# KiCad board lpddr5-testbed.kicad_pcb (continued)
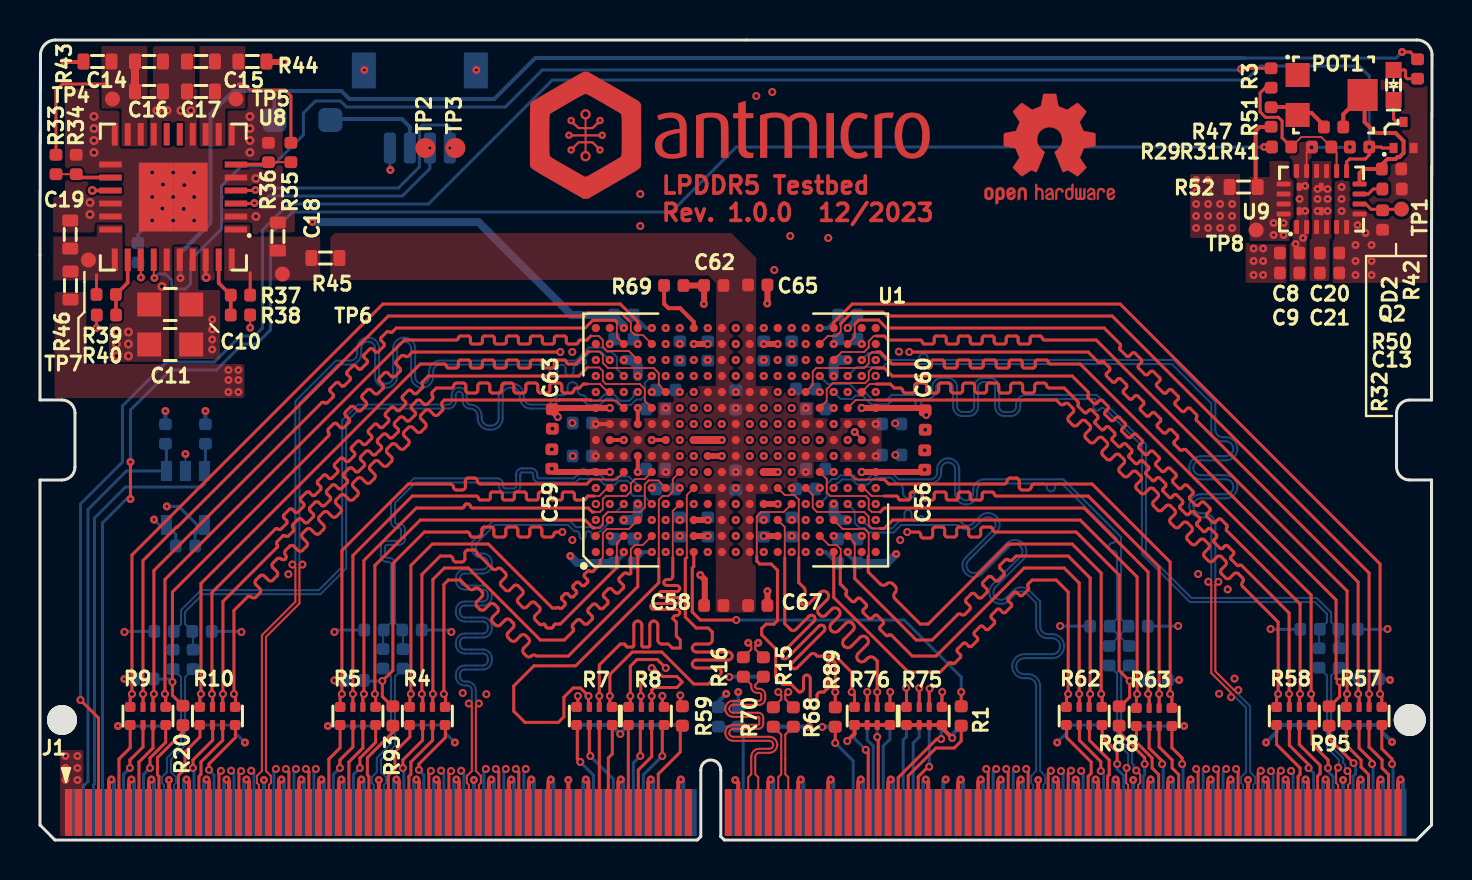
[diagram p0: board, top side]
## Routing (per net, layer and track width the routed paths; a pad name or vN(x,y) marks a point on that pad's centre or on a via; arc(x,y) is an arc through that point) (continued)
/LPDDR5/LPDDR5_A.CA4: length 23.9
  Top w0.15: v2(30.6,8.6) 30.7,8.6 31.12,8.17 31.85,8.17 32.13,7.9 31.85,7.62 30.73,7.62 30.6,7.5 v2(30.6,7.2) 30.6,6.65
  In3.Cu w0.09: v1(32,21.6) 30.94,20.55 30.94,14.23 30.98,14.19
  In3.Cu w0.15: v2(30.6,8.6) 30.98,8.98 31.45,8.98 32.77,7.66 33.14,7.66 33.28,7.8 33.28,8.79 33.47,8.98 33.47,11.44 32.89,12.02 32.53,12.02 31.81,12.73 31.81,13.25 30.98,14.08 30.98,14.19
  Bottom w0.15: 30.6,6.65 v2(30.6,7.2)
/LPDDR5/LPDDR5_A.CA5: length 23.3
  Top w0.15: v2(31.13,7.2) 31.13,6.65
  In3.Cu w0.09: v1(32.7,24) 32.36,23.66 32.36,23.03 32.12,22.8 29.81,22.8 29.55,22.53 29.56,22.52 29.56,14.22 29.58,14.2
  In3.Cu w0.15: 29.58,14.2 29.9,13.88 29.9,13.45 arc(29.95,13.33) 30.07,13.28 arc(30.19,13.22) 30.25,13.1 30.25,12.85 arc(30.19,12.73) 30.07,12.67 29.72,12.67 arc(29.6,12.62) 29.55,12.5 29.55,12.25 arc(29.6,12.13) 29.72,12.08 30.07,12.08 arc(30.19,12.02) 30.25,11.9 30.25,11.65 arc(30.19,11.53) 30.07,11.47 29.9,11.3 29.9,9.05 29.68,8.83 29.68,7.85 29.88,7.65 30.68,7.65 v2(31.13,7.2)
  Bottom w0.15: 31.13,6.65 v2(31.13,7.2)
/LPDDR5/LPDDR5_A.CA6: length 24.8
  Top w0.15: v2(32.03,7.23) 32.03,6.69
  In3.Cu w0.09: v1(32,23.2) 31.66,23.55 29.05,23.55 28.86,23.35 28.86,14.18
  In3.Cu w0.15: 28.86,14.18 28.95,14.08 28.95,6.95 29.43,6.47 31.75,6.47 32.03,6.75 v2(32.03,7.23)
  Bottom w0.15: 32.03,6.68 v2(32.03,7.23)
/LPDDR5/LPDDR5_A.CK_N: length 14.4
  Top w0.1: R15.2 35.78,9.53 35.78,9.71 v1(35.93,9.86)
  In3.Cu w0.1: v1(35.93,9.86) 35.78,10.01 35.78,11.49 32.97,14.29 32.97,16.16 33.38,16.56 33.38,20.09 33.15,20.32 33.15,20.55 v1(33.4,20.8)
  Bottom w0.1: v1(35.93,9.86) 35.78,9.71 35.78,9.53 R15.2
/LPDDR5/LPDDR5_A.CK_P: length 14.4
  Top w0.1: v1(35.43,9.86) 35.58,9.71 35.58,9.53 R16.2
  In3.Cu w0.1: v1(32.7,20.8) 32.95,20.55 32.95,20.23 33.18,20.01 33.18,16.64 32.78,16.24 32.78,14.21 35.58,11.41 35.58,10.01 v1(35.43,9.86)
  Bottom w0.1: v1(35.43,9.86) 35.58,9.71 35.58,9.53 R16.2
/LPDDR5/LPDDR5_A.CS0: length 23.3
  Top w0.15: v2(26.9,7.2) 26.9,6.65 26.9,6.65
  In3.Cu w0.09: 32.32,14.18 32.39,14.24 32.39,16.63 32.36,16.66 32.36,18.86 v1(32.7,19.2)
  In3.Cu w0.15: 32.32,14.18 32.65,13.85 32.65,13.11 32.87,12.89 33.39,12.89 34.4,11.88 34.4,8.6 34.09,8.29 34.09,8.03 33.94,7.89 33.94,6.35 33.49,5.89 32.27,5.89 32.13,6.03 28.05,6.03 26.9,7.17 v2(26.9,7.2)
  Bottom w0.15: 26.9,6.65 v2(26.9,7.2)
/LPDDR5/LPDDR5_A.CS1: length 23.3
  Top w0.09: U1.G6 31.65,18.05 31.65,17.42 31.43,17.2 31.14,17.2 30.95,17.01 30.95,14.08
  Top w0.15: 27.43,6.65 v2(27.43,7.2) 27.43,7.2 27.03,7.6 26.67,7.6 26.21,7.14 26.21,6.16 25.93,5.88 24.26,5.88 23.7,6.44 23.7,7.7 24.71,8.71 26.8,8.71 30.95,12.86 30.95,14.08
  Bottom w0.15: 27.43,6.65 v2(27.43,7.2)
/LPDDR5/LPDDR5_A.DMI0: length 32.2
  Top w0.09: U1.A4 v2(27.81,16.8)
  Top w0.15: v2(26.13,15.4) 25.83,15.4 arc(25.74,15.36) 25.7,15.28 arc(25.66,15.19) 25.58,15.15 25.23,15.15 arc(25.14,15.19) 25.1,15.28 25.1,15.53 arc(25.06,15.61) 24.98,15.65 24.62,15.65 arc(24.54,15.61) 24.5,15.53 24.5,15.28 arc(24.46,15.19) 24.38,15.15 24.03,15.15 arc(23.94,15.19) 23.9,15.28 23.9,15.53 arc(23.86,15.61) 23.78,15.65 23.43,15.65 arc(23.34,15.61) 23.3,15.53 23.3,15.28 arc(23.26,15.19) 23.18,15.15 22.83,15.15 arc(22.74,15.19) 22.7,15.28 22.7,15.53 arc(22.66,15.61) 22.58,15.65 22.23,15.65 arc(22.14,15.61) 22.1,15.53 22.1,15.28 arc(22.06,15.19) 21.98,15.15 21.62,15.15 arc(21.54,15.19) 21.5,15.28 arc(21.46,15.36) 21.38,15.4 19.23,15.4 17.65,13.83 17.65,8.48 v2(17.12,7.95) 17.12,7.17 17.61,6.69 R93.2
  In3.Cu w0.15: v2(22.3,3.55) 21.35,4.5 20.55,4.5 19.65,5.4 18.9,5.4 17.12,7.18 v2(17.12,7.95) ; v2(26.13,15.4) 27.53,16.8 v2(27.81,16.8)
  Bottom w0.15: R94.1 16.22,7.95 v2(17.12,7.95) ; 22.2,1.38 22.2,3.45 v2(22.3,3.55)
/LPDDR5/LPDDR5_A.DMI1: length 46.6
  Top w0.15: v2(26.03,24.4) 18.62,24.4 18.43,24.2 arc(18.34,24.16) 18.25,24.2 arc(18.16,24.24) 18.07,24.2 17.82,23.95 arc(17.79,23.86) 17.82,23.78 18,23.6 arc(18.04,23.51) 18,23.42 17.75,23.17 arc(17.66,23.14) 17.58,23.17 17.4,23.35 arc(17.31,23.39) 17.22,23.35 16.98,23.1 arc(16.94,23.02) 16.98,22.93 17.15,22.75 arc(17.19,22.66) 17.15,22.57 16.9,22.33 arc(16.82,22.29) 16.73,22.33 16.55,22.5 arc(16.46,22.54) 16.37,22.5 16.13,22.26 arc(16.09,22.17) 16.13,22.08 16.3,21.9 arc(16.34,21.81) 16.3,21.73 16.06,21.48 arc(15.97,21.44) 15.88,21.48 15.7,21.65 arc(15.61,21.69) 15.53,21.65 15.28,21.41 arc(15.24,21.32) 15.28,21.23 15.46,21.05 arc(15.49,20.96) 15.46,20.88 15.21,20.63 arc(15.12,20.59) 15.03,20.63 14.85,20.81 arc(14.77,20.84) 14.68,20.81 14.43,20.56 arc(14.39,20.47) 14.43,20.38 arc(14.47,20.29) 14.43,20.2 14.01,19.78 6.62,12.4 v2(6.62,7.9) 6.62,7.24 R20.2
  In3.Cu w0.15: v2(26.03,24.4) 27.23,23.2 v1(27.8,23.2) ; v2(6.62,7.9) 6.62,7.18 8.4,5.4 9.15,5.4 10.05,4.5 10.85,4.5 v2(11.8,3.55)
  Bottom w0.15: v2(11.8,3.55) 11.7,3.45 11.7,1.38 ; v2(6.62,7.9) 6.47,8.05 5.64,8.05
/LPDDR5/LPDDR5_A.DQ0: length 33.8
  Top w0.15: 20.28,6.65 20.28,7.22 v2(20.2,7.3) 20.2,12.78 20.43,13 21.03,13 21.47,12.56 arc(21.59,12.51) 21.71,12.56 arc(21.84,12.61) 21.96,12.56 22.1,12.42 arc(22.15,12.29) 22.1,12.17 21.86,11.92 arc(21.8,11.8) 21.86,11.67 22,11.53 arc(22.12,11.48) 22.24,11.53 22.49,11.78 arc(22.62,11.83) 22.74,11.78 22.88,11.64 arc(22.93,11.52) 22.88,11.39 22.63,11.14 arc(22.58,11.02) 22.63,10.9 22.77,10.76 arc(22.9,10.7) 23.02,10.76 23.27,11 arc(23.39,11.05) 23.52,11 23.66,10.86 arc(23.71,10.74) 23.66,10.61 23.41,10.37 arc(23.36,10.24) 23.41,10.12 23.55,9.98 arc(23.68,9.93) 23.8,9.98 24.05,10.23 arc(24.17,10.28) 24.29,10.23 24.44,10.08 arc(24.49,9.96) 24.44,9.84 24.19,9.59 arc(24.14,9.47) 24.19,9.34 24.33,9.2 arc(24.45,9.15) 24.58,9.2 arc(24.7,9.25) 24.83,9.2 26.43,9.2 29.9,12.67 U1.D1
  In3.Cu w0.15: v2(24.3,3.55) 24.3,3.85 21.85,6.3 20.9,6.3 20.2,7 v2(20.2,7.3)
  Bottom w0.15: v2(20.2,7.3) 20.29,7.21 20.29,6.65 ; 24.2,1.38 24.2,3.45 v2(24.3,3.55)
/LPDDR5/LPDDR5_A.DQ1: length 33.8
  Top w0.09: U1.C2 28.85,14.85 28.85,14.2
  Top w0.15: 28.85,14.2 28.85,13.62 26.03,10.8 25.79,10.8 arc(25.72,10.77) 25.69,10.7 arc(25.66,10.63) 25.59,10.6 25.39,10.6 arc(25.32,10.63) 25.29,10.7 arc(25.26,10.77) 25.19,10.8 25.16,10.77 arc(25.06,10.76) 24.98,10.8 24.77,11.01 arc(24.72,11.12) 24.77,11.22 24.98,11.44 arc(25.02,11.54) 24.98,11.65 24.77,11.86 arc(24.66,11.9) 24.55,11.86 24.34,11.65 arc(24.24,11.6) 24.13,11.65 23.92,11.86 arc(23.87,11.97) 23.92,12.07 24.13,12.28 arc(24.17,12.39) 24.13,12.5 23.92,12.71 arc(23.81,12.75) 23.7,12.71 23.49,12.5 arc(23.39,12.45) 23.28,12.5 23.07,12.71 arc(23.02,12.82) 23.07,12.92 23.28,13.13 arc(23.32,13.24) 23.28,13.35 23.07,13.56 arc(22.96,13.6) 22.86,13.56 arc(22.75,13.51) 22.64,13.56 22,14.2 arc(21.9,14.24) 21.85,14.35 arc(21.81,14.46) 21.7,14.5 21.4,14.5 arc(21.3,14.46) 21.25,14.35 21.25,14.05 arc(21.21,13.94) 21.1,13.9 20.8,13.9 arc(20.7,13.94) 20.65,14.05 arc(20.61,14.16) 20.5,14.2 20.03,14.2 19.1,13.28 v2(19.1,7.3) 19.14,7.26 19.14,6.65
  In3.Cu w0.15: v2(23.3,3.55) 23.3,3.75 21.45,5.6 20.45,5.6 19.1,6.95 v2(19.1,7.3)
  Bottom w0.15: 19.15,6.65 19.15,7.25 v2(19.1,7.3) ; v2(23.3,3.55) 23.2,3.45 23.2,1.38
/LPDDR5/LPDDR5_A.DQ2: length 33.5
  Top w0.09: 29.55,14.15 29.55,14.54 29.76,14.75 30.15,14.75 30.6,15.2
  Top w0.15: 23.95,1.38 23.95,3.4 v2(23.8,3.55) ; 29.55,14.15 29.55,13.33 arc(29.46,13.29) 29.37,13.33 arc(29.28,13.36) 29.2,13.33 28.98,13.11 arc(28.95,13.02) 28.98,12.94 29.16,12.76 arc(29.2,12.67) 29.16,12.58 28.95,12.37 arc(28.86,12.33) 28.77,12.37 28.6,12.55 arc(28.51,12.58) 28.42,12.55 28.21,12.34 arc(28.17,12.25) 28.21,12.16 28.38,11.98 arc(28.42,11.89) 28.38,11.8 28.17,11.59 arc(28.08,11.56) 27.99,11.59 27.82,11.77 arc(27.73,11.81) 27.64,11.77 27.43,11.56 arc(27.39,11.47) 27.43,11.38 27.61,11.2 arc(27.64,11.12) 27.61,11.03 27.39,10.81 arc(27.3,10.78) 27.22,10.81 27.04,10.99 arc(26.95,11.03) 26.86,10.99 26.65,10.78 arc(26.61,10.69) 26.65,10.6 arc(26.69,10.51) 26.65,10.43 26.23,10 25.03,10 21.43,13.6 20.23,13.6 19.65,13.03 v2(19.65,7.3) 19.64,7.29 19.64,6.65
  In3.Cu w0.15: v2(19.65,7.3) 19.65,7 20.7,5.95 21.65,5.95 23.8,3.8 v2(23.8,3.55)
  Bottom w0.15: 19.65,6.65 v2(19.65,7.3)
/LPDDR5/LPDDR5_A.DQ3: length 33.7
  Top w0.09: 28.03,14 28.15,14.12 28.15,15.34 28.36,15.55 29.45,15.55 U1.D3
  Top w0.15: 28.03,14 28.03,13.8 27.66,13.44 arc(27.59,13.41) 27.52,13.44 arc(27.45,13.47) 27.38,13.44 27.24,13.3 arc(27.21,13.23) 27.24,13.16 27.38,13.01 arc(27.41,12.94) 27.38,12.87 27.24,12.73 arc(27.17,12.7) 27.1,12.73 26.96,12.87 arc(26.89,12.9) 26.81,12.87 26.67,12.73 arc(26.64,12.66) 26.67,12.59 26.81,12.45 arc(26.84,12.38) 26.81,12.31 26.67,12.17 arc(26.6,12.14) 26.53,12.17 26.39,12.31 arc(26.32,12.34) 26.25,12.31 26.11,12.17 arc(26.08,12.09) 26.11,12.02 26.25,11.88 arc(26.28,11.81) 26.25,11.74 26.11,11.6 arc(26.04,11.57) 25.97,11.6 arc(25.9,11.63) 25.83,11.6 25.62,11.6 22.43,14.8 19.62,14.8 18.55,13.72 v2(18.55,7.3) 18.5,7.25 18.5,6.65 ; v2(22.8,3.55) 22.95,3.4 22.95,1.38
  In3.Cu w0.15: v2(18.55,7.3) 18.55,6.9 20.2,5.25 21.22,5.25 22.8,3.67 v2(22.8,3.55)
  Bottom w0.15: v2(18.55,7.3) 18.51,7.26 18.51,6.65
/LPDDR5/LPDDR5_A.DQ4: length 33.7
  Top w0.09: U1.B5 28.38,17.6 27.98,17.2 27.73,17.2
  Top w0.15: 27.73,17.2 27.43,17.2 arc(27.35,17.17) 27.33,17.1 arc(27.3,17.03) 27.23,17 26.83,17 arc(26.75,17.03) 26.73,17.1 26.73,17.3 arc(26.7,17.37) 26.62,17.4 26.23,17.4 arc(26.15,17.37) 26.12,17.3 26.12,17.1 arc(26.1,17.03) 26.03,17 25.62,17 arc(25.55,17.03) 25.53,17.1 25.53,17.3 arc(25.5,17.37) 25.43,17.4 25.03,17.4 arc(24.95,17.37) 24.93,17.3 24.93,17.1 arc(24.9,17.03) 24.83,17 24.43,17 arc(24.35,17.03) 24.33,17.1 24.33,17.3 arc(24.3,17.37) 24.23,17.4 23.83,17.4 arc(23.75,17.37) 23.73,17.3 23.73,17.1 arc(23.7,17.03) 23.62,17 23.23,17 arc(23.15,17.03) 23.12,17.1 23.12,17.3 arc(23.1,17.37) 23.03,17.4 22.62,17.4 arc(22.55,17.37) 22.53,17.3 22.53,17.1 arc(22.5,17.03) 22.43,17 22.03,17 arc(21.95,17.03) 21.93,17.1 arc(21.9,17.17) 21.83,17.2 18.62,17.2 15.65,14.22 v2(15.65,7.3) R5.7
  In3.Cu w0.15: v2(20.06,3.47) 20.06,3.48 19.04,4.5 17.9,4.5 15.65,6.75 v2(15.65,7.3)
  Bottom w0.15: 20.2,1.38 20.2,3.33 v2(20.06,3.47) ; R5.7 v2(15.65,7.3)
/LPDDR5/LPDDR5_A.DQ5: length 33.6
  Top w0.09: 27.58,18.03 28.83,18.03 U1.C6
  Top w0.15: 19.45,1.38 19.45,3.35 v2(19.55,3.45) ; 27.58,18.03 27.35,17.8 22.03,17.8 arc(21.92,17.84) 21.88,17.95 arc(21.83,18.06) 21.73,18.1 21.43,18.1 arc(21.32,18.06) 21.28,17.95 21.28,17.65 arc(21.23,17.54) 21.12,17.5 20.83,17.5 arc(20.72,17.54) 20.68,17.65 arc(20.63,17.76) 20.53,17.8 18.43,17.8 15.1,14.47 v2(15.1,7.3) 15.01,7.21 R5.8
  In3.Cu w0.15: v2(15.1,7.3) 15.1,6.7 17.6,4.2 18.8,4.2 v2(19.55,3.45)
  Bottom w0.15: v2(15.1,7.3) 15.01,7.21 R5.8
/LPDDR5/LPDDR5_A.DQ6: length 33.6
  Top w0.09: 27.73,16.4 28,16.4 28.15,16.55 28.15,17.05 28.3,17.2 29.33,17.2 29.55,17.42 29.55,17.83 29.78,18.05 30.25,18.05 30.6,18.4
  Top w0.15: v2(20.56,3.45) 20.45,3.34 20.45,1.38 ; 27.73,16.4 27.62,16.4 27.43,16.6 21.62,16.6 arc(21.55,16.63) 21.53,16.7 arc(21.5,16.77) 21.43,16.8 21.33,16.8 arc(21.25,16.77) 21.23,16.7 arc(21.2,16.63) 21.12,16.6 18.83,16.6 16.2,13.97 v2(16.2,7.3) 16.15,7.25 R5.6
  In3.Cu w0.15: v2(20.56,3.45) 20.56,3.54 19.3,4.8 18.2,4.8 16.2,6.8 v2(16.2,7.3)
  Bottom w0.15: v2(16.2,7.3) 16.15,7.25 R5.6
/LPDDR5/LPDDR5_A.DQ7: length 33.8
  Top w0.09: 27.73,15.6 28,15.6 28.15,15.75 28.15,16.14 28.41,16.4 30.03,16.4 30.25,16.62 30.25,17.78 30.45,17.98 30.92,17.98 U1.F5
  Top w0.15: R5.5 16.79,7.26 v2(16.75,7.3) 16.75,13.72 19.03,16 27.26,16 27.66,15.6 27.73,15.6
  In3.Cu w0.15: v2(21.06,3.46) 21.06,3.52 19.48,5.1 18.5,5.1 16.75,6.85 v2(16.75,7.3)
  Bottom w0.15: R5.5 16.79,7.26 v2(16.75,7.3) ; 21.2,1.38 21.2,3.33 v2(21.06,3.46)
/LPDDR5/LPDDR5_A.DQ8: length 48
  Top w0.15: 8.95,1.38 8.95,3.35 v2(9.05,3.45) ; R9.8 4.51,7.21 v2(4.6,7.3) 4.6,14.25 17.15,26.8 29.03,26.8 29.9,25.92 U1.D15
  In3.Cu w0.15: v2(4.6,7.3) 4.6,6.8 7.2,4.2 8.3,4.2 v2(9.05,3.45)
  Bottom w0.15: v2(4.6,7.3) 4.51,7.21 R9.8
/LPDDR5/LPDDR5_A.DQ9: length 47.9
  Top w0.09: 28.85,25.9 28.85,25.15 U1.C14
  Top w0.15: R9.6 5.65,7.25 v2(5.7,7.3) 5.7,13.47 7.61,15.39 7.63,15.39 7.84,15.59 7.84,15.61 14.09,21.86 arc(14.16,21.89) 14.23,21.86 arc(14.3,21.84) 14.37,21.86 14.66,22.15 arc(14.68,22.22) 14.66,22.29 14.51,22.43 arc(14.48,22.5) 14.51,22.57 14.8,22.85 arc(14.87,22.88) 14.94,22.85 15.08,22.71 arc(15.15,22.68) 15.22,22.71 15.5,23 arc(15.53,23.07) 15.5,23.14 15.36,23.28 arc(15.33,23.35) 15.36,23.42 15.65,23.7 arc(15.72,23.73) 15.79,23.7 15.93,23.56 arc(16,23.53) 16.07,23.56 16.35,23.84 arc(16.38,23.92) 16.35,23.99 16.21,24.13 arc(16.18,24.2) 16.21,24.27 16.49,24.55 arc(16.56,24.58) 16.64,24.55 16.78,24.41 arc(16.85,24.38) 16.92,24.41 17.2,24.69 arc(17.23,24.76) 17.2,24.83 17.06,24.98 arc(17.03,25.05) 17.06,25.12 17.34,25.4 arc(17.41,25.43) 17.48,25.4 arc(17.55,25.37) 17.62,25.4 17.83,25.6 27.26,25.6 27.64,25.98 28.77,25.98 28.85,25.9 ; v2(10.06,3.45) 9.95,3.34 9.95,1.38
  In3.Cu w0.15: v2(10.06,3.45) 10.06,3.54 8.8,4.8 7.8,4.8 5.7,6.9 v2(5.7,7.3)
  Bottom w0.15: v2(5.7,7.3) 5.65,7.25 R9.6
/LPDDR5/LPDDR5_A.DQ10: length 47.9
  Top w0.09: 30.6,24.8 30.15,25.25 29.76,25.25 29.55,25.46 29.55,25.88 29.45,25.97
  Top w0.15: R9.7 v2(5.15,7.3) 5.15,13.97 6.83,15.65 6.88,15.65 17.43,26.2 27.27,26.2 27.43,26.36 29.07,26.36 29.45,25.97
  In3.Cu w0.15: v2(5.15,7.3) 5.15,6.85 7.5,4.5 8.54,4.5 9.56,3.48 v2(9.56,3.47)
  Bottom w0.15: v2(9.56,3.47) 9.7,3.33 9.7,1.38 ; R9.7 v2(5.15,7.3)
/LPDDR5/LPDDR5_A.DQ11: length 47.9
  Top w0.09: 27.55,25.2 27.95,25.2 28.15,25 28.15,24.66 28.36,24.45 29.45,24.45 U1.D13
  Top w0.15: 27.55,25.2 27.35,25 27.03,25 arc(26.95,24.97) 26.93,24.9 arc(26.9,24.83) 26.83,24.8 26.43,24.8 arc(26.35,24.83) 26.33,24.9 26.33,25.1 arc(26.3,25.17) 26.23,25.2 25.83,25.2 arc(25.75,25.17) 25.73,25.1 25.73,24.9 arc(25.7,24.83) 25.62,24.8 25.23,24.8 arc(25.15,24.83) 25.12,24.9 25.12,25.1 arc(25.1,25.17) 25.03,25.2 24.62,25.2 arc(24.55,25.17) 24.53,25.1 24.53,24.9 arc(24.5,24.83) 24.43,24.8 24.03,24.8 arc(23.95,24.83) 23.93,24.9 23.93,25.1 arc(23.9,25.17) 23.83,25.2 23.43,25.2 arc(23.35,25.17) 23.33,25.1 23.33,24.9 arc(23.3,24.83) 23.23,24.8 22.83,24.8 arc(22.75,24.83) 22.73,24.9 22.73,25.1 arc(22.7,25.17) 22.62,25.2 22.23,25.2 arc(22.15,25.17) 22.12,25.1 22.12,24.9 arc(22.1,24.83) 22.03,24.8 21.62,24.8 arc(21.55,24.83) 21.53,24.9 21.53,25.1 arc(21.5,25.17) 21.43,25.2 21.03,25.2 arc(20.95,25.17) 20.93,25.1 arc(20.9,25.03) 20.83,25 18.23,25 6.25,13.03 v2(6.25,7.3) 6.29,7.26 R9.5
  In3.Cu w0.15: v2(6.25,7.3) 6.25,6.95 8.1,5.1 9.1,5.1 10.56,3.63 v2(10.56,3.46)
  Bottom w0.15: v2(6.25,7.3) 6.29,7.26 R9.5 ; v2(10.56,3.46) 10.7,3.33 10.7,1.38
/LPDDR5/LPDDR5_A.DQ12: length 47.9
  Top w0.09: 27.38,22.8 28,22.8 28.4,22.4 U1.B11
  Top w0.15: 27.38,22.8 27.18,22.8 26.98,22.6 26.83,22.6 arc(26.74,22.56) 26.7,22.47 arc(26.66,22.39) 26.58,22.35 26.23,22.35 arc(26.14,22.39) 26.1,22.47 26.1,22.72 arc(26.06,22.81) 25.98,22.85 25.62,22.85 arc(25.54,22.81) 25.5,22.72 25.5,22.47 arc(25.46,22.39) 25.38,22.35 25.03,22.35 arc(24.94,22.39) 24.9,22.47 24.9,22.72 arc(24.86,22.81) 24.78,22.85 24.43,22.85 arc(24.34,22.81) 24.3,22.72 24.3,22.47 arc(24.26,22.39) 24.18,22.35 23.83,22.35 arc(23.74,22.39) 23.7,22.47 23.7,22.72 arc(23.66,22.81) 23.58,22.85 23.23,22.85 arc(23.14,22.81) 23.1,22.72 23.1,22.47 arc(23.06,22.39) 22.98,22.35 22.62,22.35 arc(22.54,22.39) 22.5,22.47 22.5,22.72 arc(22.46,22.81) 22.38,22.85 22.03,22.85 arc(21.94,22.81) 21.9,22.72 21.9,22.47 arc(21.86,22.39) 21.78,22.35 21.43,22.35 arc(21.34,22.39) 21.3,22.47 21.3,22.72 arc(21.26,22.81) 21.18,22.85 20.83,22.85 arc(20.74,22.81) 20.7,22.72 arc(20.66,22.64) 20.58,22.6 19.83,22.6 19.62,22.4 arc(19.59,22.31) 19.62,22.22 arc(19.66,22.13) 19.62,22.05 19.38,21.8 arc(19.29,21.76) 19.2,21.8 19.02,21.98 arc(18.94,22.01) 18.85,21.98 18.6,21.73 arc(18.56,21.64) 18.6,21.55 18.76,21.39 arc(18.79,21.32) 18.76,21.25 18.48,20.97 arc(18.41,20.94) 18.33,20.97 18.18,21.13 arc(18.09,21.16) 18,21.13 17.75,20.88 arc(17.71,20.79) 17.75,20.7 17.91,20.54 arc(17.94,20.47) 17.91,20.4 17.63,20.12 arc(17.56,20.09) 17.49,20.12 17.33,20.28 arc(17.24,20.32) 17.15,20.28 16.9,20.03 arc(16.87,19.94) 16.9,19.85 17.06,19.7 arc(17.09,19.62) 17.06,19.55 16.78,19.27 arc(16.71,19.24) 16.64,19.27 16.48,19.43 arc(16.39,19.47) 16.3,19.43 16.05,19.18 arc(16.02,19.09) 16.05,19.01 16.21,18.85 arc(16.24,18.78) 16.21,18.71 15.93,18.42 arc(15.86,18.39) 15.79,18.42 15.63,18.58 arc(15.54,18.62) 15.45,18.58 15.21,18.33 arc(15.17,18.25) 15.21,18.16 15.36,18 arc(15.39,17.93) 15.36,17.86 15.08,17.57 arc(15.01,17.54) 14.94,17.57 14.78,17.73 arc(14.69,17.77) 14.6,17.73 14.36,17.49 arc(14.32,17.4) 14.36,17.31 14.52,17.15 arc(14.55,17.08) 14.52,17.01 14.23,16.73 arc(14.16,16.7) 14.09,16.73 13.93,16.88 arc(13.84,16.92) 13.76,16.88 13.51,16.64 arc(13.47,16.55) 13.51,16.46 13.67,16.3 arc(13.7,16.23) 13.67,16.16 13.38,15.88 arc(13.31,15.85) 13.24,15.88 13.08,16.04 arc(13,16.07) 12.91,16.04 12.66,15.79 arc(12.62,15.7) 12.66,15.61 arc(12.7,15.52) 12.66,15.43 12.42,15.2 arc(12.35,15.17) 12.28,15.2 arc(12.21,15.23) 12.14,15.2 11.86,14.92 arc(11.83,14.85) 11.86,14.78 arc(11.89,14.71) 11.86,14.63 9.15,11.92 v2(9.15,7.3) 9.14,7.29 9.14,6.65 ; v2(13.3,3.55) 13.45,3.4 13.45,1.38
  In3.Cu w0.15: v2(13.3,3.55) 13.3,3.8 11.15,5.95 10.2,5.95 9.15,7 v2(9.15,7.3)
  Bottom w0.15: v2(9.15,7.3) 9.14,7.29 9.14,6.65
/LPDDR5/LPDDR5_A.DQ13: length 47.9
  Top w0.09: 27.58,21.97 28.83,21.97 U1.C10
  Top w0.15: 27.58,21.97 27.55,22 25.99,22 25.99,22 20.23,22 20.12,21.9 arc(20.08,21.79) 20.12,21.69 arc(20.17,21.58) 20.12,21.48 19.91,21.26 arc(19.81,21.22) 19.7,21.26 19.49,21.48 arc(19.38,21.52) 19.28,21.48 19.06,21.26 arc(19.02,21.16) 19.06,21.05 19.28,20.84 arc(19.32,20.73) 19.28,20.63 19.06,20.42 arc(18.96,20.37) 18.85,20.42 18.64,20.63 arc(18.53,20.67) 18.43,20.63 18.22,20.42 arc(18.17,20.31) 18.22,20.2 18.43,19.99 arc(18.47,19.88) 18.43,19.78 18.22,19.57 arc(18.11,19.52) 18,19.57 17.79,19.78 arc(17.69,19.82) 17.58,19.78 17.37,19.57 arc(17.32,19.46) 17.37,19.35 17.58,19.14 arc(17.62,19.04) 17.58,18.93 17.37,18.72 arc(17.26,18.67) 17.16,18.72 16.94,18.93 arc(16.84,18.97) 16.73,18.93 16.52,18.72 arc(16.47,18.61) 16.52,18.51 16.73,18.29 arc(16.77,18.19) 16.73,18.08 16.52,17.87 arc(16.41,17.83) 16.31,17.87 16.09,18.08 arc(15.99,18.13) 15.88,18.08 15.67,17.87 arc(15.63,17.76) 15.67,17.66 15.88,17.45 arc(15.93,17.34) 15.88,17.23 15.67,17.02 arc(15.56,16.98) 15.46,17.02 15.25,17.23 arc(15.14,17.28) 15.03,17.23 14.82,17.02 arc(14.78,16.91) 14.82,16.81 15.03,16.6 arc(15.08,16.49) 15.03,16.38 14.82,16.17 arc(14.72,16.13) 14.61,16.17 14.4,16.38 arc(14.29,16.43) 14.19,16.38 13.97,16.17 arc(13.93,16.07) 13.97,15.96 14.19,15.75 arc(14.23,15.64) 14.19,15.54 13.97,15.32 arc(13.87,15.28) 13.76,15.32 13.55,15.54 arc(13.44,15.58) 13.34,15.54 13.12,15.32 arc(13.08,15.22) 13.12,15.11 13.34,14.9 arc(13.38,14.79) 13.34,14.69 13.12,14.48 arc(13.02,14.43) 12.91,14.48 12.7,14.69 arc(12.59,14.73) 12.49,14.69 12.28,14.48 arc(12.23,14.37) 12.28,14.26 arc(12.32,14.16) 12.28,14.05 arc(12.17,14.01) 12.06,14.05 arc(11.96,14.1) 11.85,14.05 11.64,13.84 arc(11.6,13.73) 11.64,13.63 11.85,13.41 arc(11.9,13.31) 11.85,13.2 11.64,12.99 arc(11.53,12.95) 11.43,12.99 11.22,13.2 arc(11.11,13.25) 11,13.2 10.79,12.99 arc(10.75,12.88) 10.79,12.78 11,12.57 arc(11.05,12.46) 11,12.35 10.79,12.14 arc(10.69,12.1) 10.58,12.14 arc(10.47,12.19) 10.37,12.14 9.7,11.47 v2(9.7,7.3) 9.78,7.22 9.78,6.65
  In3.Cu w0.15: v2(9.7,7.3) 9.7,7 10.4,6.3 11.35,6.3 13.8,3.85 v2(13.8,3.55)
  Bottom w0.15: 9.78,6.65 9.78,7.22 v2(9.7,7.3) ; v2(13.8,3.55) 13.7,3.45 13.7,1.38
/LPDDR5/LPDDR5_A.DQ14: length 48.1
  Top w0.09: 27.38,23.62 27.98,23.62 28.15,23.45 28.15,22.95 28.3,22.8 30,22.8 30.25,22.55 30.25,21.95 30.6,21.6
  Top w0.15: 27.38,23.62 26.95,23.2 19.43,23.2 19.12,22.9 arc(19.1,22.83) 19.12,22.76 arc(19.15,22.69) 19.13,22.62 18.84,22.33 arc(18.77,22.31) 18.7,22.33 18.56,22.48 arc(18.49,22.51) 18.42,22.48 18.14,22.19 arc(18.11,22.12) 18.14,22.05 18.28,21.91 arc(18.31,21.84) 18.28,21.77 17.99,21.49 arc(17.92,21.46) 17.85,21.49 17.71,21.63 arc(17.64,21.66) 17.57,21.63 17.29,21.34 arc(17.26,21.27) 17.29,21.2 17.43,21.06 arc(17.46,20.99) 17.43,20.92 17.15,20.64 arc(17.07,20.61) 17,20.64 16.86,20.78 arc(16.79,20.81) 16.72,20.78 16.44,20.5 arc(16.41,20.43) 16.44,20.35 16.58,20.21 arc(16.61,20.14) 16.58,20.07 16.3,19.79 arc(16.23,19.76) 16.16,19.79 16.01,19.93 arc(15.94,19.96) 15.87,19.93 15.59,19.65 arc(15.56,19.58) 15.59,19.51 15.73,19.36 arc(15.76,19.29) 15.73,19.22 15.45,18.94 arc(15.38,18.91) 15.31,18.94 15.17,19.08 arc(15.09,19.11) 15.02,19.08 14.74,18.8 arc(14.71,18.73) 14.74,18.66 14.88,18.52 arc(14.91,18.45) 14.88,18.37 14.6,18.09 arc(14.53,18.06) 14.46,18.09 14.32,18.23 arc(14.25,18.26) 14.18,18.23 13.89,17.95 arc(13.86,17.88) 13.89,17.81 14.03,17.67 arc(14.06,17.6) 14.03,17.53 13.75,17.24 arc(13.68,17.21) 13.61,17.24 13.47,17.38 arc(13.4,17.41) 13.33,17.38 13.04,17.1 arc(13.01,17.03) 13.04,16.96 13.19,16.82 arc(13.21,16.75) 13.19,16.68 12.9,16.39 arc(12.83,16.37) 12.76,16.39 12.62,16.54 arc(12.55,16.57) 12.48,16.54 12.2,16.25 arc(12.17,16.18) 12.2,16.11 12.34,15.97 arc(12.37,15.9) 12.34,15.83 12.05,15.55 arc(11.98,15.52) 11.91,15.55 arc(11.84,15.58) 11.77,15.55 8.6,12.38 v2(8.6,7.3) 8.64,7.26 8.64,6.65
  In3.Cu w0.15: v2(8.6,7.3) 8.6,6.95 9.95,5.6 10.95,5.6 12.8,3.75 v2(12.8,3.55)
  Bottom w0.15: 8.64,6.65 8.64,7.26 v2(8.6,7.3) ; v2(12.8,3.55) 12.7,3.45 12.7,1.38
/LPDDR5/LPDDR5_A.DQ15: length 47.7
  Top w0.09: 27.43,24.42 27.98,24.42 28.15,24.25 28.15,23.86 28.41,23.6 30.69,23.6 30.95,23.34 30.95,22.75 U1.F11
  Top w0.15: 27.43,24.42 26.8,23.8 26.43,23.8 arc(26.35,23.83) 26.33,23.9 arc(26.3,23.97) 26.23,24 25.83,24 arc(25.75,23.97) 25.73,23.9 25.73,23.7 arc(25.7,23.63) 25.62,23.6 25.23,23.6 arc(25.15,23.63) 25.12,23.7 25.12,23.9 arc(25.1,23.97) 25.03,24 24.62,24 arc(24.55,23.97) 24.53,23.9 24.53,23.7 arc(24.5,23.63) 24.43,23.6 24.03,23.6 arc(23.95,23.63) 23.93,23.7 23.93,23.9 arc(23.9,23.97) 23.83,24 23.43,24 arc(23.35,23.97) 23.33,23.9 23.33,23.7 arc(23.3,23.63) 23.23,23.6 22.83,23.6 arc(22.75,23.63) 22.73,23.7 22.73,23.9 arc(22.7,23.97) 22.62,24 22.23,24 arc(22.15,23.97) 22.12,23.9 22.12,23.7 arc(22.1,23.63) 22.03,23.6 21.62,23.6 arc(21.55,23.63) 21.53,23.7 21.53,23.9 arc(21.5,23.97) 21.43,24 21.03,24 arc(20.95,23.97) 20.93,23.9 20.93,23.7 arc(20.9,23.63) 20.83,23.6 20.43,23.6 arc(20.35,23.63) 20.33,23.7 arc(20.3,23.77) 20.23,23.8 19.03,23.8 8.05,12.83 v2(8.05,7.3) 8,7.25 8,6.65 ; v2(12.3,3.55) 12.45,3.4 12.45,1.38
  In3.Cu w0.15: v2(8.05,7.3) 8.05,6.9 9.7,5.25 10.72,5.25 12.3,3.67 v2(12.3,3.55)
  Bottom w0.15: 8,6.65 8,7.25 v2(8.05,7.3)
/LPDDR5/LPDDR5_A.RDQS0_N: length 32.9
  Top w0.1: 21.35,3.2 21.35,2.86 21.45,2.76 21.45,1.38
  Top w0.102: v2(21.45,6.83) 21.6,6.68 21.6,3.45 21.35,3.2 21.35,3.2
  Bottom w0.1: v1(29.2,16.8) 28.8,16.4 28.4,16.4 28.15,16.15 28.15,15.84 27.95,15.64 26.81,15.64 26.49,15.96 22.67,15.96 21.6,14.89 21.6,14.58 arc(21.73,14.26) 22.05,14.12 22.15,14.12 arc(22.33,14.05) 22.4,13.88 22.4,13.78 arc(22.33,13.6) 22.15,13.53 21.25,13.53 arc(20.93,13.39) 20.8,13.08 20.8,12.97 arc(20.93,12.66) 21.25,12.53 22.15,12.53 arc(22.33,12.45) 22.4,12.28 22.4,12.17 arc(22.33,12) 22.15,11.92 21.25,11.92 arc(20.93,11.79) 20.8,11.47 20.8,11.38 arc(20.93,11.06) 21.25,10.92 22.15,10.92 arc(22.33,10.85) 22.4,10.67 22.4,10.58 arc(22.33,10.4) 22.15,10.33 21.25,10.33 arc(20.93,10.19) 20.8,9.88 20.8,9.78 arc(20.93,9.46) 21.25,9.33 22.15,9.33 arc(22.33,9.25) 22.4,9.08 22.4,8.97 arc(22.33,8.8) 22.15,8.72 21.25,8.72 arc(20.93,8.59) 20.8,8.28 20.8,8.17 arc(20.93,7.86) 21.25,7.72 21.35,7.72 arc(21.53,7.65) 21.6,7.47 21.6,6.98 v2(21.45,6.83)
  Bottom w0.102: v2(21.45,6.83) 21.6,6.97
/LPDDR5/LPDDR5_A.RDQS0_P: length 32.7
  Top w0.1: 22.05,3.2 22.05,2.86 21.95,2.76 21.95,1.38
  Top w0.102: v2(21.95,6.83) 21.8,6.68 21.8,3.45 22.05,3.2 22.05,3.2
  Bottom w0.1: 28.5,15.92 v1(28.5,16) 28.5,15.91 28.37,15.77 28.37,15.77 28.04,15.44 arc(27.93,15.4) 27.89,15.29 27.89,15.19 arc(27.84,15.08) 27.74,15.04 arc(27.63,15.08) 27.59,15.19 27.59,15.29 arc(27.54,15.4) 27.44,15.44 arc(27.33,15.4) 27.29,15.29 27.29,15.19 arc(27.24,15.08) 27.14,15.04 arc(27.03,15.08) 26.99,15.19 26.99,15.29 arc(26.94,15.4) 26.84,15.44 26.72,15.44 26.4,15.76 22.76,15.76 21.8,14.8 21.8,14.58 arc(21.87,14.4) 22.05,14.33 22.15,14.33 arc(22.47,14.19) 22.6,13.88 22.6,13.78 arc(22.47,13.46) 22.15,13.33 21.25,13.33 arc(21.07,13.25) 21,13.08 21,12.97 arc(21.07,12.8) 21.25,12.72 22.15,12.72 arc(22.47,12.59) 22.6,12.28 22.6,12.17 arc(22.47,11.86) 22.15,11.72 21.25,11.72 arc(21.07,11.65) 21,11.47 21,11.38 arc(21.07,11.2) 21.25,11.12 22.15,11.12 arc(22.47,10.99) 22.6,10.67 22.6,10.58 arc(22.47,10.26) 22.15,10.12 21.25,10.12 arc(21.07,10.05) 21,9.88 21,9.78 arc(21.07,9.6) 21.25,9.53 22.15,9.53 arc(22.47,9.39) 22.6,9.08 22.6,8.97 arc(22.47,8.66) 22.15,8.53 21.25,8.53 arc(21.07,8.45) 21,8.28 21,8.17 arc(21.07,8) 21.25,7.92 21.35,7.92 arc(21.67,7.79) 21.8,7.47 21.8,6.98 v2(21.95,6.83)